# Allegro board RK_EVB7_RK3588_LP4XD200P232SD8_V11_20230111YWQ.brd (continued)
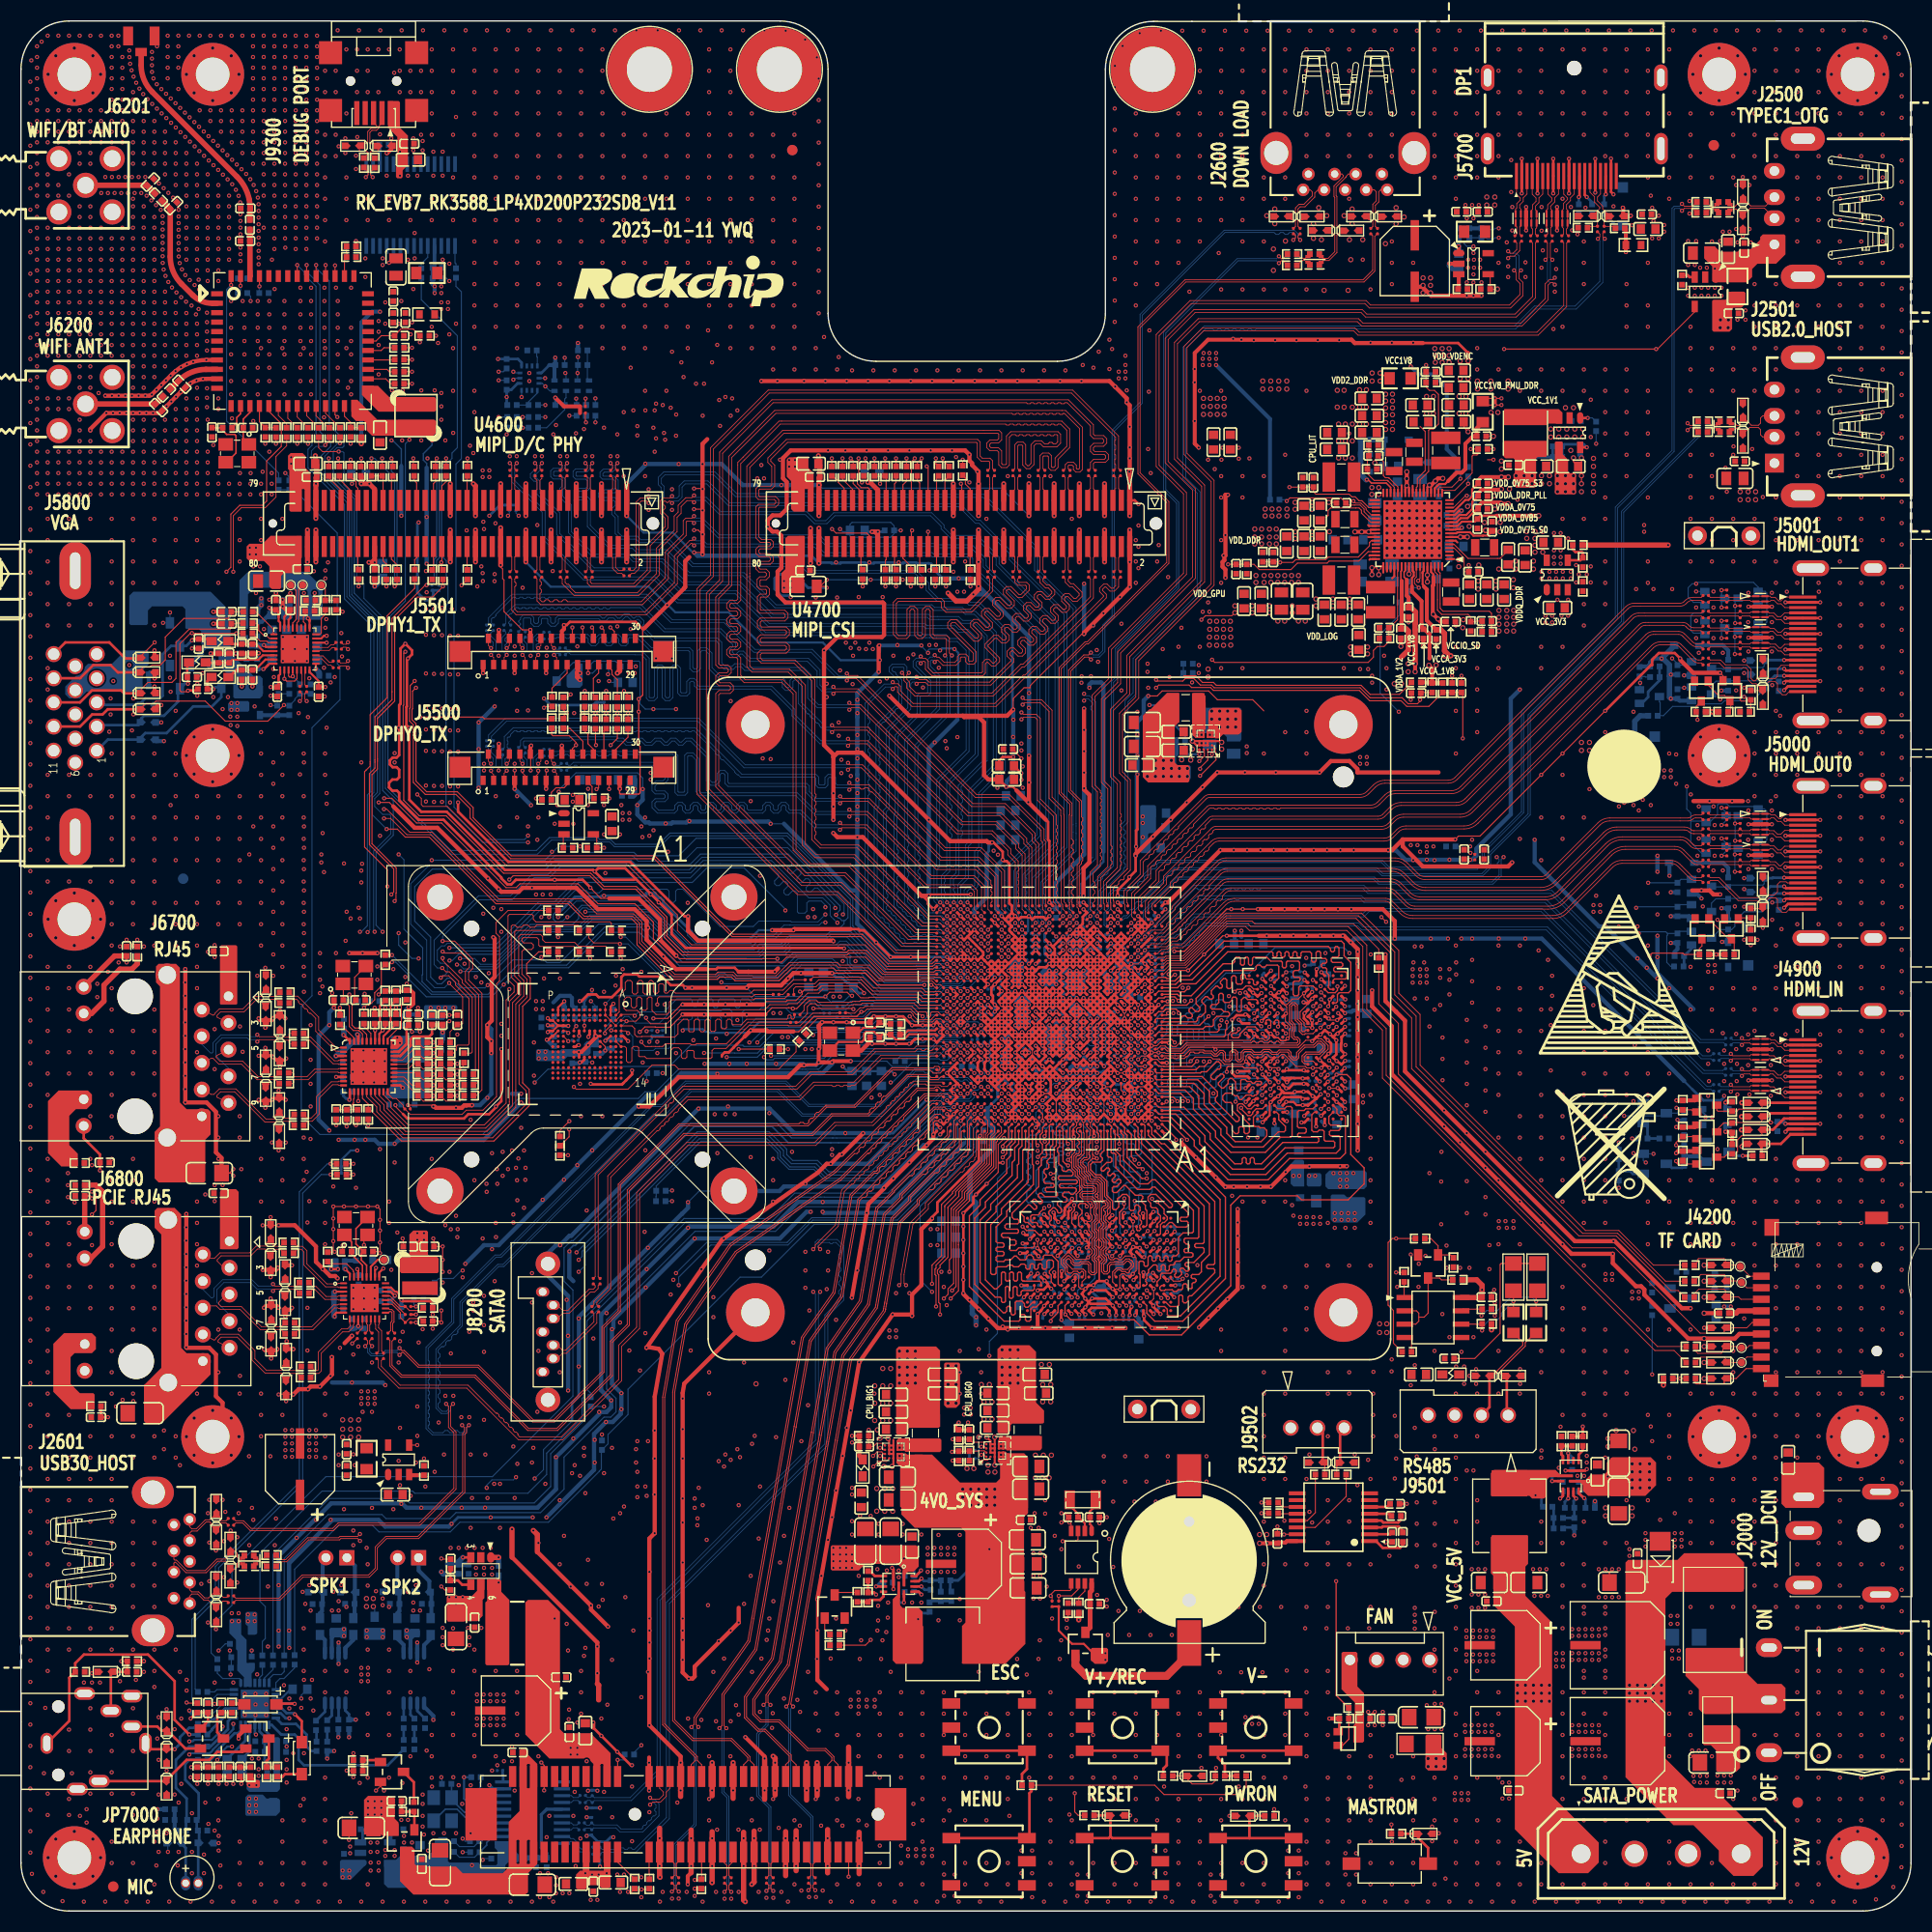
[diagram p0: board, top side]
## Routing (per net, layer and track width the routed paths; a pad name or vN(x,y) marks a point on that pad's centre or on a via; arc(x,y) is an arc through that point) (continued)
DDR_CH1_DQ12_C: length 25.4
  TOP w0.127: U3801.F9 106.25,59.43 106.34,59.34 106.48,59.34 106.58,59.44 106.58,59.85 106.57,59.86 106.57,60.62 106.47,60.72 106.47,61.78 106.58,61.89 106.83,61.89 106.96,61.76 106.96,61.51 107.06,61.41 107.24,61.41 107.34,61.51 107.34,62.27 107.47,62.4 107.6,62.4 107.71,62.29 107.71,62 107.83,61.89 107.98,61.89 108.1,62 108.1,62.29 108.21,62.4 108.37,62.4 108.48,62.29 108.48,62 108.59,61.89 108.75,61.89 108.86,62 108.86,62.29 108.97,62.4 109.13,62.4 109.24,62.29 109.24,62 109.35,61.89 109.51,61.89 109.62,62 109.62,62.29 109.73,62.4 110.01,62.4 110.24,62.63 110.24,64.15 110.67,64.58 111.53,64.58 111.66,64.71 111.66,66.72 106.16,72.22 106.16,73.58 106.07,73.67 106.07,74.28 U1000.A5
DDR_CH1_DQ12_D: length 26.3
  TOP w0.127: U1000.A20 96.32,71.13 96.42,71.03 96.42,69.2 93.88,66.66 93.88,66.17 92.86,65.15 92.86,63.76 92.99,63.64 93.5,63.64 93.62,63.51 93.62,63.33 93.51,63.22 92.97,63.22 92.86,63.11 92.86,62.93 92.97,62.82 93.51,62.82 93.62,62.7 93.62,62.52 93.5,62.4 92.99,62.4 92.86,62.27 92.86,61.99 92.99,61.86 93.6,61.86 93.75,62.02 94.26,62.02 94.61,62.37 94.79,62.37 95.15,62.02 95.64,62.02 95.77,62.14 95.77,62.29 95.97,62.49 96.2,62.49 96.41,62.28 96.41,62.14 96.53,62.02 97.23,62.02 97.36,62.14 97.36,62.35 97.48,62.46 98.18,62.46 98.78,61.87 98.78,59.71 98.9,59.58 U3801.U9
DDR_CH1_DQ13_C: length 26.2
  TOP w0.127: U3801.E9 106.92,59.56 107.1,59.56 107.22,59.69 107.22,59.86 107.12,59.96 107.12,60.14 107.22,60.25 107.22,60.65 107.39,60.82 107.39,61.07 107.84,61.53 108.1,61.53 108.21,61.42 108.21,61.07 108.32,60.96 108.48,60.96 108.59,61.07 108.59,61.42 108.7,61.53 108.86,61.53 108.97,61.42 108.97,61.07 109.09,60.96 109.24,60.96 109.35,61.07 109.35,61.42 109.47,61.53 109.78,61.53 109.88,61.64 109.88,61.76 110.01,61.89 110.39,61.89 110.77,62.27 111.49,62.27 111.62,62.4 111.62,62.58 111.49,62.7 110.88,62.7 110.77,62.82 110.77,62.97 110.88,63.09 111.15,63.09 111.27,63.21 111.27,63.39 111.15,63.52 110.97,63.52 110.77,63.72 110.77,63.96 110.88,64.07 112.05,64.07 112.17,64.18 112.17,66.93 106.47,72.63 106.47,73.67 106.38,73.76 106.38,74.61 U1000.B5
DDR_CH1_DQ13_D: length 27.9
  TOP w0.127: U3801.V9 98.12,59.91 98.12,60.57 97.94,60.75 97.94,60.95 98.32,61.33 98.32,61.86 98.2,61.99 97.82,61.99 97.69,61.86 97.69,61.25 97.56,61.13 97.36,61.13 97.25,61.24 97.25,61.52 97.14,61.64 96.98,61.64 96.87,61.52 96.87,61.24 96.76,61.13 96.6,61.13 96.49,61.24 96.49,61.52 96.38,61.64 96.22,61.64 96.11,61.52 96.11,61.24 96,61.13 95.82,61.13 95.69,61.25 95.69,61.48 95.56,61.61 95.25,61.61 94.99,61.35 94.54,61.35 94.39,61.51 94.01,61.51 93.85,61.35 92.99,61.35 92.86,61.23 92.86,60.75 92.74,60.62 92.48,60.62 92.35,60.75 92.35,65.36 93.37,66.38 93.37,66.87 95.91,69.41 95.91,72.3 95.98,72.38 95.98,74.59 96.32,74.93 U1000.B20
DDR_CH1_DQ14_C: length 24.7
  TOP w0.127: U3801.C9 108.2,59.93 108.53,60.27 108.53,60.61 108.66,60.73 109.49,60.73 109.63,60.87 109.63,61 109.75,61.13 109.88,61.13 110.01,61 110.01,60.75 109.88,60.62 109.88,60.44 109.96,60.36 110.26,60.36 110.54,60.64 110.54,60.82 110.39,60.98 110.39,61.13 110.49,61.23 110.67,61.23 110.96,60.94 111.14,60.94 111.28,61.07 111.28,61.25 111.15,61.38 110.99,61.38 110.86,61.51 110.86,61.64 110.99,61.76 111.7,61.76 112.67,62.74 112.67,63.07 112.56,63.18 111.9,63.18 111.79,63.29 111.79,63.45 111.9,63.56 112.56,63.56 112.67,63.68 112.67,67.14 106.72,73.1 U1000.A4
DDR_CH1_DQ14_D: length 26.6
  TOP w0.127: U1000.A21 95.67,72.7 95.4,72.43 95.4,69.64 92.86,67.1 92.86,66.59 91.85,65.58 91.85,60.11 92.71,59.25 92.91,59.25 93.37,59.71 93.37,60.74 93.47,60.84 93.65,60.84 93.75,60.74 93.75,60.11 93.86,60 94.04,60 94.15,60.11 94.15,60.73 94.26,60.84 94.33,60.84 94.33,60.84 94.42,60.84 94.53,60.73 94.53,60.11 94.64,60 94.8,60 94.91,60.11 94.91,60.73 95.02,60.84 95.18,60.84 95.29,60.73 95.29,60.11 95.4,60 95.51,60 95.53,59.98 97.02,59.98 97.15,59.86 U3801.Y9
DDR_CH1_DQ15_C: length 24.7
  TOP w0.127: U1000.B4 106.91,74.93 107.04,74.8 107.04,73.5 113.18,67.35 113.18,62.52 112.42,61.76 112.42,60.87 112.17,60.62 111.56,60.62 111.46,60.52 111.46,60.34 111.56,60.24 111.79,60.24 111.91,60.11 111.91,59.98 111.79,59.86 111.66,59.86 111.53,59.73 111.53,59.35 111.53,59.35 111.46,59.27 111.2,59.27 111.08,59.4 111.08,59.6 110.95,59.73 110.77,59.73 110.64,59.6 110.64,59.3 110.52,59.17 110.21,59.17 110.04,59 109.79,59 109.63,59.17 108.99,59.17 108.92,59.09 108.59,59.09 108.46,59.22 108.46,59.4 108.64,59.58 U3801.B9
DDR_CH1_DQ15_D: length 27.9
  TOP w0.127: U3801.AA9 96.5,59.22 96.37,59.1 95.38,59.1 95.25,58.97 95.25,58.7 95.14,58.59 94.98,58.59 94.87,58.7 94.87,59.37 94.76,59.48 94.6,59.48 94.49,59.37 94.49,58.47 94.38,58.36 94.22,58.36 94.11,58.47 94.11,59.38 93.99,59.49 93.87,59.49 93.76,59.38 93.76,58.07 93.64,57.95 93.49,57.95 93.38,58.07 93.38,58.35 93.26,58.46 92.78,58.46 91.34,59.9 91.34,65.79 92.35,66.8 92.35,67.31 94.89,69.85 94.89,71.03 95.02,71.16 95.02,72.56 95.33,72.87 95.33,74.59 95.67,74.93 U1000.B21
DDR_CH1_DQS0N_C: length 15.8
  TOP w0.102: U1000.D9 v1(103.79,75.9) ; U3801.E3 107.28,64.77 v1(107.31,64.77)
  L6-S2 w0.097: v1(103.79,75.9) 103.79,76.06 103.89,76.16 104,76.16 104.34,75.82 104.34,75.05 106.18,73.22 106.38,73.22 108.86,70.74 108.86,66.11 108.07,65.32 107.87,65.32 107.65,65.1 107.65,64.96 107.45,64.77 v1(107.31,64.77)
DDR_CH1_DQS0N_D: length 20.6
  TOP w0.102: U1000.G16 98.92,78.18 v1(98.59,77.85) ; U3801.V3 v1(98.12,64.7)
  L6-S2 w0.097: v1(98.59,77.85) 98.59,77.89 98.34,78.14 98.21,78.14 98.11,78.04 98.11,77.6 98.53,77.18 98.53,75.25 99.03,74.75 99.03,74.45 98.82,74.24 98.45,74.24 98.35,74.14 98.35,74 98.45,73.9 98.75,73.9 98.97,73.67 98.97,73.36 98.75,73.14 98.59,73.14 98.49,73.04 98.49,72.9 98.59,72.8 98.74,72.8 98.96,72.58 98.96,72.13 98.69,71.86 98.69,71.71 98.96,71.44 98.96,69.41 98.68,69.13 98.18,69.13 98.09,69.04 98.09,68.92 98.18,68.83 98.75,68.83 98.96,68.62 98.96,68.33 98.75,68.12 98.18,68.12 98.1,68.03 98.1,67.9 98.19,67.81 98.7,67.81 98.91,67.6 98.91,67.27 98.81,67.17 98.81,67.03 98.91,66.93 98.91,66.17 98.69,65.95 98.35,65.95 98.07,65.67 98.07,65.16 97.86,64.95 97.86,64.81 97.96,64.7 v1(98.12,64.7)
DDR_CH1_DQS0P_C: length 15.9
  TOP w0.102: U1000.E9 v1(103.79,76.55) ; U3801.D3 107.93,64.77 v1(107.96,64.77)
  L6-S2 w0.097: v1(103.79,76.55) 103.79,76.47 103.89,76.37 104.08,76.37 104.55,75.91 104.55,75.14 106.26,73.42 106.47,73.42 109.07,70.82 109.07,66.03 108.15,65.12 107.95,65.12 107.85,65.01 107.85,64.84 107.92,64.77 v1(107.96,64.77)
DDR_CH1_DQS0P_D: length 20.8
  TOP w0.102: U3801.W3 v1(97.47,64.7) ; U1000.H16 v1(98.59,78.5)
  L6-S2 w0.097: v1(97.47,64.7) 97.59,64.7 97.66,64.77 97.66,65.03 97.87,65.24 97.87,65.76 98.26,66.16 98.6,66.16 98.7,66.26 98.7,66.84 98.61,66.94 98.61,67.25 98.7,67.35 98.7,67.52 98.62,67.6 98.11,67.6 97.89,67.82 97.89,68.11 98.1,68.32 98.67,68.32 98.76,68.41 98.76,68.54 98.67,68.63 98.1,68.63 97.89,68.83 97.89,69.13 98.1,69.34 98.6,69.34 98.76,69.49 98.76,71.36 98.49,71.62 98.49,71.95 98.76,72.21 98.76,72.49 98.65,72.59 98.51,72.59 98.29,72.81 98.29,73.13 98.51,73.35 98.66,73.35 98.76,73.45 98.76,73.59 98.66,73.69 98.37,73.69 98.15,73.91 98.15,74.23 98.37,74.45 98.74,74.45 98.83,74.54 98.83,74.66 98.32,75.16 98.32,77.1 97.91,77.51 97.91,78.12 98.18,78.4 98.49,78.4 v1(98.59,78.5)
DDR_CH1_DQS1N_C: length 22.8
  TOP w0.102: U1000.D5 106.07,76.23 v1(105.74,75.9) ; v1(107.22,58.45) U3801.E10
  L6-S2 w0.097: v1(105.74,75.9) 105.64,75.9 105.55,76 105.51,76 105.41,75.9 105.41,75.12 106.32,74.21 106.54,74.21 110.56,70.19 110.56,62.66 108.61,60.71 108.61,59.22 108,58.61 107.38,58.61 v1(107.22,58.45)
DDR_CH1_DQS1N_D: length 24.5
  TOP w0.102: U1000.E21 v1(95.99,76.55) ; U3801.V10 v1(98.12,58.45)
  L6-S2 w0.097: v1(95.99,76.55) 95.99,76.43 96.11,76.32 96.32,76.32 96.54,76.1 96.54,75.63 95.91,75 95.91,74.46 95.53,74.08 95.53,72.65 94.77,71.89 94.77,70.82 94.39,70.44 94.39,61.1 94.49,61 94.77,61 94.87,61.1 94.87,61.62 95.12,61.86 95.54,61.86 95.78,61.62 95.78,60.32 96.25,59.86 97.05,59.86 97.69,59.22 97.69,58.97 97.9,58.76 97.9,58.56 98,58.45 v1(98.12,58.45)
DDR_CH1_DQS1P_C: length 23.1
  TOP w0.102: U1000.E5 106.07,76.88 v1(105.74,76.55) ; v1(107.22,59.1) U3801.D10
  L6-S2 w0.097: v1(107.22,59.1) 107.22,58.96 107.37,58.82 107.92,58.82 108.41,59.31 108.41,60.8 110.36,62.75 110.36,70.11 106.46,74.01 106.23,74.01 105.21,75.03 105.21,75.98 105.42,76.2 105.51,76.2 105.74,76.43 v1(105.74,76.55)
DDR_CH1_DQS1P_D: length 24.1
  TOP w0.102: v1(95.99,75.9) 95.67,76.23 U1000.D21 ; U3801.W10 v1(97.47,58.45)
  L6-S2 w0.097: v1(97.47,58.45) 97.59,58.45 97.7,58.56 97.7,58.67 97.49,58.88 97.49,59.14 96.97,59.65 96.16,59.65 95.58,60.24 95.58,61.53 95.45,61.66 95.2,61.66 95.07,61.53 95.07,61.02 94.85,60.8 94.4,60.8 94.18,61.02 94.18,70.53 94.56,70.91 94.56,71.97 95.33,72.74 95.33,74.17 95.71,74.55 95.71,75.08 96.34,75.71 96.34,76.01 96.24,76.11 96.09,76.11 95.99,76.01 v1(95.99,75.9)
DDR_CH1_LP4/4X_CKE0/LP5_CS0_C: length 15.7
  TOP w0.127: U1000.D11 102.17,76.23 v1(102.49,75.9)
  BOTTOM w0.086: R3812.1 103.39,63.65 103.15,63.65 103.02,63.78 103.02,65.45 103.28,65.7 103.28,66.59 103.53,66.84 103.53,67.39 103.4,67.51 103.4,67.89 103.53,68.02 103.53,68.4 103.4,68.53 103.4,68.91 103.53,69.04 103.53,69.42 103.4,69.54 103.4,69.93 103.53,70.05 103.53,74.21 103.4,74.34 102.64,74.34 102.51,74.46 102.51,74.72 102.64,74.84 103.02,74.84 103.15,74.97 103.15,75.81 102.85,76.11 102.7,76.11 v1(102.49,75.9)
DDR_CH1_LP4/4X_CKE0/LP5_CS0_D: length 20
  TOP w0.127: v1(99.24,75.9) U1000.D16
  BOTTOM w0.086: v1(99.24,75.9) 99.57,75.58 99.57,74.87 99.72,74.72 99.72,73.57 100.1,73.19 100.1,70.53 99.97,70.4 99.47,70.4 99.34,70.53 99.34,70.78 99.09,71.03 98.83,71.03 98.7,70.91 98.7,70.14 98.91,69.94 100.61,69.94 100.74,69.82 100.74,69.64 100.61,69.51 98.83,69.51 98.7,69.38 98.7,69.2 98.83,69.08 99.21,69.08 99.41,68.87 99.65,68.87 99.85,69.08 100.03,69.08 100.23,68.87 100.41,68.87 100.61,69.08 100.92,69.08 101.07,68.93 101.07,65.78 100.76,65.47 100.76,65.37
DDR_CH1_LP4/4X_CKE0_C: length 1.9
  TOP w0.119: v1(104.62,63.26) U3801.J4
  BOTTOM w0.086: v1(104.62,63.26) 104.57,63.21 104.47,63.21 104.17,62.91 103.66,62.91 R3812.2
DDR_CH1_LP4/4X_CKE0_D: length 1.7
  TOP w0.119: U3801.P4 100.72,63.91 v1(100.72,63.92)
  BOTTOM w0.086: v1(100.72,63.92) 100.71,63.92 100.46,64.17 100.46,64.96 100.41,65.01
DDR_CH1_LP4/4X_CKE1/LP5_CS1_C: length 17.1
  TOP w0.127: v1(102.49,76.55) 102.17,76.88 U1000.E11
  BOTTOM w0.086: v1(102.49,76.55) 102.17,76.23 102.17,75.12 102.01,74.96 102.01,74.54 102.9,73.65 102.9,65.95 102.64,65.7 102.64,62.88 102.77,62.75 102.77,62.37 102.64,62.24 102.64,61.89 102.88,61.65 103.28,61.65 103.4,61.78 R3813.1
DDR_CH1_LP4/4X_CKE1/LP5_CS1_D: length 20.8
  TOP w0.127: v1(99.24,76.55) U1000.E16
  BOTTOM w0.086: R3815.1 101.88,64.27 101.88,67.3 101.57,67.6 101.57,69.51 101.45,69.64 101.34,69.64 101.24,69.74 101.24,69.92 101.34,70.02 101.75,70.02 101.88,70.14 101.88,70.29 101.75,70.42 100.74,70.42 100.61,70.55 100.61,70.73 100.74,70.85 101.4,70.85 101.52,70.98 101.52,71.16 101.4,71.29 100.71,71.29 100.61,71.39 100.61,71.57 100.71,71.67 101.12,71.67 101.24,71.8 101.24,71.9 101.13,72.01 100.59,72.01 100.48,72.13 100.48,72.28 100.59,72.4 101.13,72.4 101.24,72.51 101.24,72.67 101.13,72.78 100.59,72.78 100.48,72.89 100.48,73.05 100.59,73.16 101.01,73.16 101.12,73.27 101.12,74.08 100.99,74.21 100.36,74.21 100.21,74.35 100.21,74.95 100.23,74.97 100.22,74.98 100.22,76.04 100.03,76.23 99.35,76.23 99.24,76.34 v1(99.24,76.55)
DDR_CH1_LP4/4X_CKE1_C: length 1.2
  TOP w0.119: v1(103.91,62.37) 103.91,62.39 U3801.J5
  BOTTOM w0.086: v1(103.91,62.37) 103.91,62.39 103.76,62.55 103.43,62.55 R3813.2
DDR_CH1_LP4/4X_CKE1_D: length 1.7
  TOP w0.119: v1(100.77,63.08) 100.77,63.05 U3801.P5
  BOTTOM w0.086: R3815.2 101.65,63.54 101.32,63.54 100.86,63.08 v1(100.77,63.08)
DDR_CH1_LP4/4X_CS0_C: length 20.4
  TOP w0.127: U1000.G11 v1(102.49,77.85) ; U3801.H4 105.22,63.85 105.22,63.87 v1(105.22,63.87)
  BOTTOM w0.089: 104.43,76 104.12,76.31 104.12,76.69 103.93,76.88 103.66,76.88 103.47,77.07 103.47,77.34 102.95,77.85 v1(102.49,77.85)
  BOTTOM w0.127: v1(105.22,63.87) 105.22,64.05 104.67,64.6 104.67,66.59 104.94,66.86 105.25,66.86 105.56,67.17 105.56,68.75 105.69,68.87 106.45,68.87 106.58,69 106.58,70.14 106.32,70.4 105.69,70.4 105.56,70.53 105.56,71.8 105.69,71.92 106.45,71.92 106.71,72.18 106.71,73.07 104.5,75.28 104.5,75.93 104.43,76
DDR_CH1_LP4/4X_CS0_D: length 20.8
  TOP w0.127: U1000.E19 96.97,76.88 v1(97.29,76.55) ; v1(100.08,63.9) U3801.R4
  BOTTOM w0.089: 97.05,74.87 96.97,74.96 96.97,75.75 97.29,76.07 v1(97.29,76.55)
  BOTTOM w0.127: 97.05,74.87 97.05,74.21 96.74,73.89 96.1,73.89 95.78,73.57 95.78,73.35 95.93,73.2 96.02,73.2 96.16,73.05 96.16,72.84 96.02,72.69 95.93,72.69 95.78,72.54 95.78,72.33 95.93,72.18 96.02,72.18 96.16,72.03 96.16,71.82 96.02,71.67 95.93,71.67 95.78,71.52 95.78,71.31 95.93,71.16 96.02,71.16 96.16,71.02 96.16,70.81 96.02,70.66 95.93,70.66 95.78,70.51 95.78,70.3 95.93,70.15 96.02,70.15 96.16,70 96.16,69.79 96.02,69.64 95.93,69.64 95.78,69.49 95.78,69.28 95.93,69.13 96.02,69.13 96.16,68.98 96.16,68.77 96.02,68.62 95.93,68.62 95.78,68.48 95.78,67.6 95.93,67.46 96.73,67.46 96.8,67.53 98.2,67.53 98.32,67.4 98.32,67.02 97.94,66.64 97.94,65.45 98.47,64.92 98.47,64.5 98.63,64.34 99.68,64.34 100.08,63.94 v1(100.08,63.9)
DDR_CH1_LP4/4X_CS1_C: length 19.2
  TOP w0.127: U3801.H3 105.23,64.66 v1(105.23,64.71) ; U1000.H11 v1(102.49,78.5)
  BOTTOM w0.089: 104.9,76.27 104.77,76.4 104.77,76.69 104.58,76.88 104.31,76.88 104.12,77.07 104.12,77.34 103.93,77.53 103.59,77.53 102.97,78.15 102.85,78.15 v1(102.49,78.5)
  BOTTOM w0.127: v1(105.23,64.71) 105.28,64.71 105.79,65.22 106.23,65.22 106.44,65.43 106.44,68.18 106.56,68.3 107.53,68.3 107.72,68.49 107.72,72.79 104.9,75.61 104.9,76.27
DDR_CH1_LP4/4X_CS1_D: length 20.3
  TOP w0.127: v1(100.1,64.68) 100.1,64.68 U3801.R3 ; v1(97.29,75.25) 97.29,75.9 96.97,76.23 U1000.D19
  BOTTOM w0.127: v1(100.1,64.68) 99.59,65.19 98.7,65.19 98.4,65.5 98.4,65.9 98.7,66.21 99.09,66.21 99.31,66.44 99.31,66.62 99.01,66.92 99.01,67.68 98.7,67.99 97.05,67.99 96.67,68.37 96.67,70.53 97.18,71.03 97.18,71.43 97.42,71.67 98.21,71.67 98.32,71.78 98.32,71.94 98.21,72.05 97.42,72.05 97.31,72.16 97.31,72.32 97.42,72.43 98.21,72.43 98.32,72.54 98.32,72.7 98.21,72.81 98.09,72.81 97.94,72.96 97.94,74.18 98.2,74.44 98.2,74.64 98.09,74.74 97.89,74.74 97.69,74.54 97.49,74.54 97.38,74.64 97.38,75.16 v1(97.29,75.25)
DDR_RESET: length 91.5
  TOP w0.127: U1000.T4 106.72,84.03 v1(107.04,83.7) ; U3800.T11 v1(125.29,79.65) 125.29,79.66 126.28,79.66 126.64,79.29 126.64,72.05 127.91,70.78 127.91,69.26 126.39,67.73 121.95,67.73 121.56,68.11 116.1,68.11 115.21,67.22 115.21,59.55 110.53,54.87 107.45,54.87 106.01,56.31 99.96,56.31 v1(99.47,56.81) 99.43,56.85 99.43,57.66 U3801.T11
  L6-S2 w0.127: v1(126.52,91.23) 126.64,91.1 126.64,80.3 126.14,79.8 125.43,79.8 v1(125.29,79.65)
  BOTTOM w0.089: v1(107.04,83.7) 107.37,84.03 108.02,84.03 ; C3888.1 99.29,56.99 v1(99.47,56.81)
  BOTTOM w0.127: v1(126.52,91.23) 126,91.74 119.42,91.74 116.99,89.32 114.75,89.32 111.45,86.02 109.12,86.02 108.23,85.13 108.23,84.75 108.16,84.69 108.16,84.17 108.02,84.03
  BOTTOM w0.254: v1(125.29,79.65) 125.46,79.82 C3844.1
DEBUG_DM: length 6.5
  TOP w0.084: J9300.2 34.38,170.28 34.08,169.99 34.08,169.81 33.85,169.59 33.43,169.59 33.22,169.38 33.22,168.4 33.31,168.32 33.79,168.32 ED9301.1 34.01,167.68 33.92,167.59 33.35,167.59 33.25,167.49 33.25,167.34 33.66,166.94 R9302.2
DEBUG_DP: length 6.5
  TOP w0.084: R9303.2 33.05,167.35 33.05,167.47 32.93,167.59 32.32,167.59 32.23,167.68 ED9300.1 32.42,168.32 32.94,168.32 33.02,168.4 33.02,169.47 33.34,169.79 33.77,169.79 33.88,169.9 33.88,170.02 33.58,170.32 J9300.3
DP0_AUXN: length 108.9
  TOP w0.076: v1(26.56,115.23) 26.75,115.42 26.75,115.94 C5800.1
  TOP w0.089: U1000.AM15 v1(99.89,94.75)
  L6-S2 w0.076: v1(101.24,115.27) 101.08,115.43 99.21,115.43 96.4,112.63 79.6,112.63 78.52,113.71 77.24,113.71 74.32,116.63 67.32,116.63 62.37,121.58 59.3,121.58 58.29,122.6 57.47,122.6 56.6,123.47 51.6,123.47 51.36,123.23 44.05,123.23 42.96,122.14 36.91,122.14 29.29,114.52 27.02,114.52 26.75,114.79 26.75,115.04 v1(26.56,115.23)
  BOTTOM w0.076: v1(99.89,94.75) 99.89,94.83 99.94,94.88 99.94,95.07 99.83,95.18 99.83,95.38 99.77,95.44 99.72,95.49 99.72,95.72 99.77,95.77 99.83,95.83 99.83,96.06 99.77,96.11 99.72,96.16 99.72,96.39 99.77,96.45 99.83,96.5 99.83,96.73 99.77,96.78 99.72,96.84 99.72,97.06 99.77,97.12 99.83,97.17 99.83,97.4 99.77,97.45 99.72,97.51 99.72,97.74 99.77,97.79 99.83,97.84 99.83,98.1 102.05,100.32 102.06,100.32 102.06,100.33 102.06,114.28 101.97,114.37 101.88,114.46 101.88,114.69 101.97,114.78 102.06,114.87 102.06,115.05 101.65,115.46 101.43,115.46 v1(101.24,115.27)
DP0_AUXP: length 109.1
  TOP w0.076: v1(27.21,115.23) 27.03,115.42 27.03,115.94 C5801.1
  TOP w0.089: U1000.AL15 v1(99.89,94.1)
  L6-S2 w0.076: v1(101.24,115.92) 101.08,115.76 99.07,115.76 96.27,112.96 79.73,112.96 78.65,114.04 77.38,114.04 74.46,116.96 67.46,116.96 62.51,121.91 59.44,121.91 58.42,122.93 57.61,122.93 56.73,123.8 51.47,123.8 51.23,123.56 43.92,123.56 42.82,122.47 36.77,122.47 29.15,114.85 27.15,114.85 27.08,114.92 27.08,115.1 v1(27.21,115.23)
  BOTTOM w0.076: v1(101.24,115.92) 101.43,115.74 101.77,115.74 102.34,115.16 102.34,100.21 102.17,100.04 102.17,100.04 100.11,97.98 100.11,95.3 100.22,95.19 100.22,94.43 v1(99.89,94.1)
DP0_TX2N: length 95.5
  TOP w0.076: v1(95.39,115.54) 95.58,115.36 97.19,115.36 98.2,114.35 98.2,106.09 99.3,104.98 99.3,104.45 99.34,104.41 99.34,96.12 99.49,95.97 99.49,95.81 U1000.AP15 ; C5809.1 30.42,118.86 30.95,118.86 v1(31.14,119.05)
  L6-S2 w0.076: v1(31.14,119.05) 31.33,118.86 31.77,118.86 36.34,123.43 42.27,123.43 43.31,124.48 50.77,124.48 51.02,124.72 57.15,124.72 58.02,123.84 58.84,123.84 59.85,122.83 62.91,122.83 67.85,117.88 77.25,117.88 78.89,116.25 79.86,116.25 82.23,113.87 92.56,113.87 94.1,115.42 95.26,115.42 v1(95.39,115.54)
DP0_TX2P: length 95.8
  TOP w0.076: v1(31.14,118.4) 30.95,118.58 30.43,118.58 C5808.1 ; v1(95.39,114.89) 95.58,115.08 97.08,115.08 97.92,114.24 97.92,105.97 99.02,104.86 99.02,104.33 99.06,104.29 99.06,96 99.21,95.85 99.21,95.69 99.21,95.44 U1000.AN15
  L6-S2 w0.076: v1(31.14,118.4) 31.27,118.53 31.91,118.53 36.48,123.1 42.4,123.1 43.45,124.15 50.91,124.15 51.15,124.39 57.01,124.39 57.88,123.51 58.7,123.51 59.72,122.49 62.77,122.49 67.71,117.55 77.12,117.55 78.76,115.92 79.72,115.92 82.09,113.54 92.7,113.54 94.24,115.09 95.08,115.09 95.28,114.89 v1(95.39,114.89)
DP0_TX3N: length 99.8
  TOP w0.076: v1(31.14,120.83) 30.95,120.64 30.68,120.64 C5816.1 ; U1000.AN16 98.56,95.44 98.56,95.85 98.32,96.09 98.32,104.27 96.8,105.79 96.8,113.45 96.57,113.68 95.47,113.68 v1(95.28,113.49)
  L6-S2 w0.076: v1(95.28,113.49) 95.28,113.58 95.35,113.65 96.14,113.65 97.12,114.64 97.12,116.56 96.49,117.19 91.44,117.19 89.03,114.79 82.82,114.79 78.56,119.04 67.99,119.04 63.29,123.74 60.61,123.74 59.6,124.76 58.4,124.76 57.52,125.63 50.64,125.63 50.4,125.39 42.87,125.39 42.41,124.93 36.19,124.93 31.96,120.71 31.26,120.71 v1(31.14,120.83)
DP0_TX3P: length 99.9
  TOP w0.076: v1(95.28,114.15) 95.47,113.96 96.69,113.96 97.08,113.57 97.08,105.91 98.6,104.38 98.6,103.46 98.7,103.36 98.7,103.13 98.6,103.03 98.6,102.8 98.7,102.7 98.7,102.47 98.6,102.37 98.6,102.14 98.7,102.04 98.7,101.81 98.6,101.71 98.6,101.48 98.7,101.38 98.7,101.15 98.6,101.05 98.6,100.82 98.7,100.72 98.7,100.49 98.6,100.39 98.6,100.16 98.7,100.06 98.7,99.83 98.6,99.73 98.6,99.5 98.7,99.4 98.7,99.17 98.6,99.07 98.6,98.84 98.7,98.74 98.7,98.51 98.6,98.41 98.6,98.18 98.7,98.07 98.7,97.85 98.6,97.74 98.6,97.52 98.7,97.41 98.7,97.19 98.6,97.08 98.6,96.86 98.7,96.75 98.7,96.53 98.6,96.42 98.6,96.2 98.84,95.97 98.84,95.8 98.91,95.73 U1000.AP16 ; v1(31.14,120.17) 30.95,120.36 30.68,120.36 C5810.1
  L6-S2 w0.076: v1(31.14,120.17) 31.34,120.38 32.1,120.38 36.32,124.6 42.55,124.6 43,125.06 50.53,125.06 50.77,125.3 57.39,125.3 58.26,124.43 59.46,124.43 60.48,123.41 63.15,123.41 67.85,118.71 78.43,118.71 82.68,114.45 89.17,114.45 91.57,116.86 91.91,116.86 91.96,116.81 92.02,116.75 92.24,116.75 92.3,116.81 92.35,116.86 92.58,116.86 92.63,116.81 92.69,116.75 92.92,116.75 92.97,116.81 93.02,116.86 93.25,116.86 93.31,116.81 93.36,116.75 93.59,116.75 93.64,116.81 93.7,116.86 93.93,116.86 93.98,116.81 94.03,116.75 94.26,116.75 94.32,116.81 94.37,116.86 94.6,116.86 94.65,116.81 94.71,116.75 94.93,116.75 94.99,116.81 95.04,116.86 95.27,116.86 95.32,116.81 95.38,116.75 95.61,116.75 95.66,116.81 95.71,116.86 96.35,116.86 96.79,116.42 96.79,114.77 96,113.98 95.44,113.98 v1(95.28,114.15)
DP1_AUXN: length 107.9
  TOP w0.076: C5709.1 150.65,159.81 150.65,159.45 v1(150.83,159.26)
  TOP w0.084: U1000.AM10 v1(102.49,94.75)
  BOTTOM w0.076: v1(150.83,159.26) 150.65,159.07 150.65,155.09 148.12,152.57 144.25,152.57 142.35,150.67 117.63,150.67 117.5,150.54 117.27,150.54 117.13,150.67 116.9,150.67 116.77,150.54 116.54,150.54 116.41,150.67 116.18,150.67 116.04,150.54 115.81,150.54 115.68,150.67 115.45,150.67 115.32,150.54 115.09,150.54 114.95,150.67 114.72,150.67 114.59,150.54 114.36,150.54 114.23,150.67 114,150.67 113.86,150.54 113.63,150.54 113.5,150.67 112.8,150.67 110.92,148.79 110.92,136.53 112.29,135.16 112.29,125.26 106.2,119.17 106.2,115.91 105.44,115.15 105.44,103.72 105,103.29 105,103.04 105.1,102.94 105.18,102.86 105.18,102.63 105.1,102.55 105.01,102.46 105.01,102.23 105.1,102.15 105.18,102.06 105.18,101.84 105.1,101.75 105.01,101.67 105.01,101.44 105.1,101.35 105.18,101.27 105.18,101.04 105.1,100.96 105.01,100.87 105.01,100.64 105.1,100.56 105.18,100.48 105.18,100.25 105.1,100.16 105.01,100.08 105.01,99.85 105.1,99.77 105.18,99.68 105.18,99.45 105.1,99.37 105.01,99.28 105.01,99.1 102.95,97.04 102.95,95.51 102.49,95.05 v1(102.49,94.75)
DP1_AUXP: length 107.4
  TOP w0.076: C5708.1 150.37,159.71 150.37,159.45 v1(150.18,159.26)
  TOP w0.084: U1000.AL10 v1(102.49,94.1)
  BOTTOM w0.076: v1(150.18,159.26) 150.37,159.07 150.37,155.21 148.01,152.85 144.13,152.85 142.23,150.95 112.68,150.95 110.64,148.91 110.64,136.41 112.01,135.04 112.01,125.38 105.92,119.28 105.92,116.03 105.16,115.27 105.16,103.84 104.73,103.41 104.73,99.22 102.67,97.16 102.67,95.63 102.16,95.13 102.16,94.43 v1(102.49,94.1)
DP1_HPDIN_M0: length 202.3
  TOP w0.089: U1000.AB28 v1(91.44,87.6)
  L3-POWER1 w0.104: v1(58.06,146.98) 57.68,146.6 57.68,143.01 58.06,142.63 58.06,133.8 57.24,132.97 57.24,131.4 58.57,130.06 58.57,124.24 57.51,123.18 57.51,117.67 58.45,116.73 58.45,111.8 58.19,111.55 58.19,107.35 58.29,107.25 58.6,107.25 58.82,107.03 58.82,106.72 58.83,106.71 58.83,106.69 59.05,106.47 59.07,106.47 59.21,106.33 59.21,105.32 59.08,105.19 59.08,105.17 58.86,104.94 58.83,104.94 58.57,104.69 58.57,103.93 57.57,102.93 57.57,89.97 v1(57.3,89.7)
  L6-S2 w0.089: v1(91.44,87.6) 90.47,88.58 87.55,88.58 86.78,87.81 86.42,87.81
  L6-S2 w0.104: 86.42,87.81 81.8,87.81 80.8,88.81 73.97,88.81 73.97,88.81 73.59,88.81 73.21,88.43 71.14,88.43 70.19,89.39 62.57,89.39 62.4,89.21 59.95,89.21 59.31,89.86 57.46,89.86 v1(57.3,89.7) ; v1(153.44,160.55) 153.29,160.7 137.57,160.7 130.45,153.58 109.37,153.58 102.26,146.47 100.97,146.47 100.79,146.29 70.97,146.29 70.41,146.85 58.19,146.85 v1(58.06,146.98)
  BOTTOM w0.104: D5700.2 v1(153.44,160.55)
  BOTTOM w0.254: D5700.2 151.87,160.55 R5706.1
DP1_REXT: length 1
  TOP w0.254: U1000.AG16 v1(99.24,91.5)
  BOTTOM w0.254: R1410.1 98.93,91.81 v1(99.24,91.5)
DP1_TX0N: length 103.6
  TOP w0.076: 105.65,99.13 105.65,107.73 104.9,108.48 104.9,113.96 106.45,115.51 106.45,119.09 113.63,126.26 113.63,136.25 111.05,138.83 111.05,148.91 112.64,150.5 126.91,150.5 127.34,150.08 144.49,150.08 147.2,152.79 147.2,158.86 C5707.1
  TOP w0.084: 105.65,99.13 105.05,98.53 105.05,98.3 104.97,98.21 104.73,98.21 104.54,98.02 104.54,97.83 104.36,97.65 104.17,97.65 104.04,97.52 104.04,96.21 104.07,96.17 104.07,95.77 104.12,95.73 U1000.AP8
DP1_TX0N_PORT: length 6.1
  TOP w0.076: J5700.3 143.43,163.52 143.07,163.16 143.07,162.82 142.73,162.49 142.73,162.2 142.84,162.09 U5700.9 U5700.2 142.84,160.51 142.73,160.4 142.73,159.71 C5703.2
DP1_TX0P: length 104.1
  TOP w0.076: C5706.1 146.92,158.86 146.92,152.91 144.37,150.36 127.45,150.36 127.03,150.78 112.53,150.78 110.77,149.03 110.77,138.71 113.35,136.13 113.35,126.38 106.17,119.2 106.17,115.62 104.62,114.08 104.62,108.36 105.37,107.61 105.37,99.26 105.37,99.25
  TOP w0.084: U1000.AN8 103.79,95.41 103.79,96.05 103.75,96.09 103.75,97.64 105.37,99.25
DP1_TX0P_PORT: length 6.1
  TOP w0.076: J5700.1 142.43,163.5 142.79,163.14 142.79,162.94 142.45,162.6 142.45,162.2 142.34,162.09 U5700.10 U5700.1 142.34,160.49 142.45,160.38 142.45,159.71 C5700.2
DP1_TX1N: length 104.3
  TOP w0.076: v1(145.84,157.26) 145.65,157.45 145.65,158.86 C5705.1 ; U1000.AN9 103.17,95.37 103.17,95.9 103.1,95.98 103.1,98.05 104.42,99.37 104.42,107.34 103.76,108 103.76,114.46 105.31,116.01 105.31,119.56 112.44,126.7 112.44,135.68 109.86,138.27 109.86,149.38 112.12,151.65 127.39,151.65 127.53,151.5 127.81,151.22 142.82,151.22 145.16,153.56 145.16,154.97 145.55,155.36 145.89,155.36 v1(146.08,155.55)
  BOTTOM w0.076: v1(145.84,157.26) 145.65,157.07 145.65,155.44 145.73,155.36 145.89,155.36 v1(146.08,155.55)
